# KiCad board antmicro-gmsl-deserializer-hw.kicad_pcb (continued)
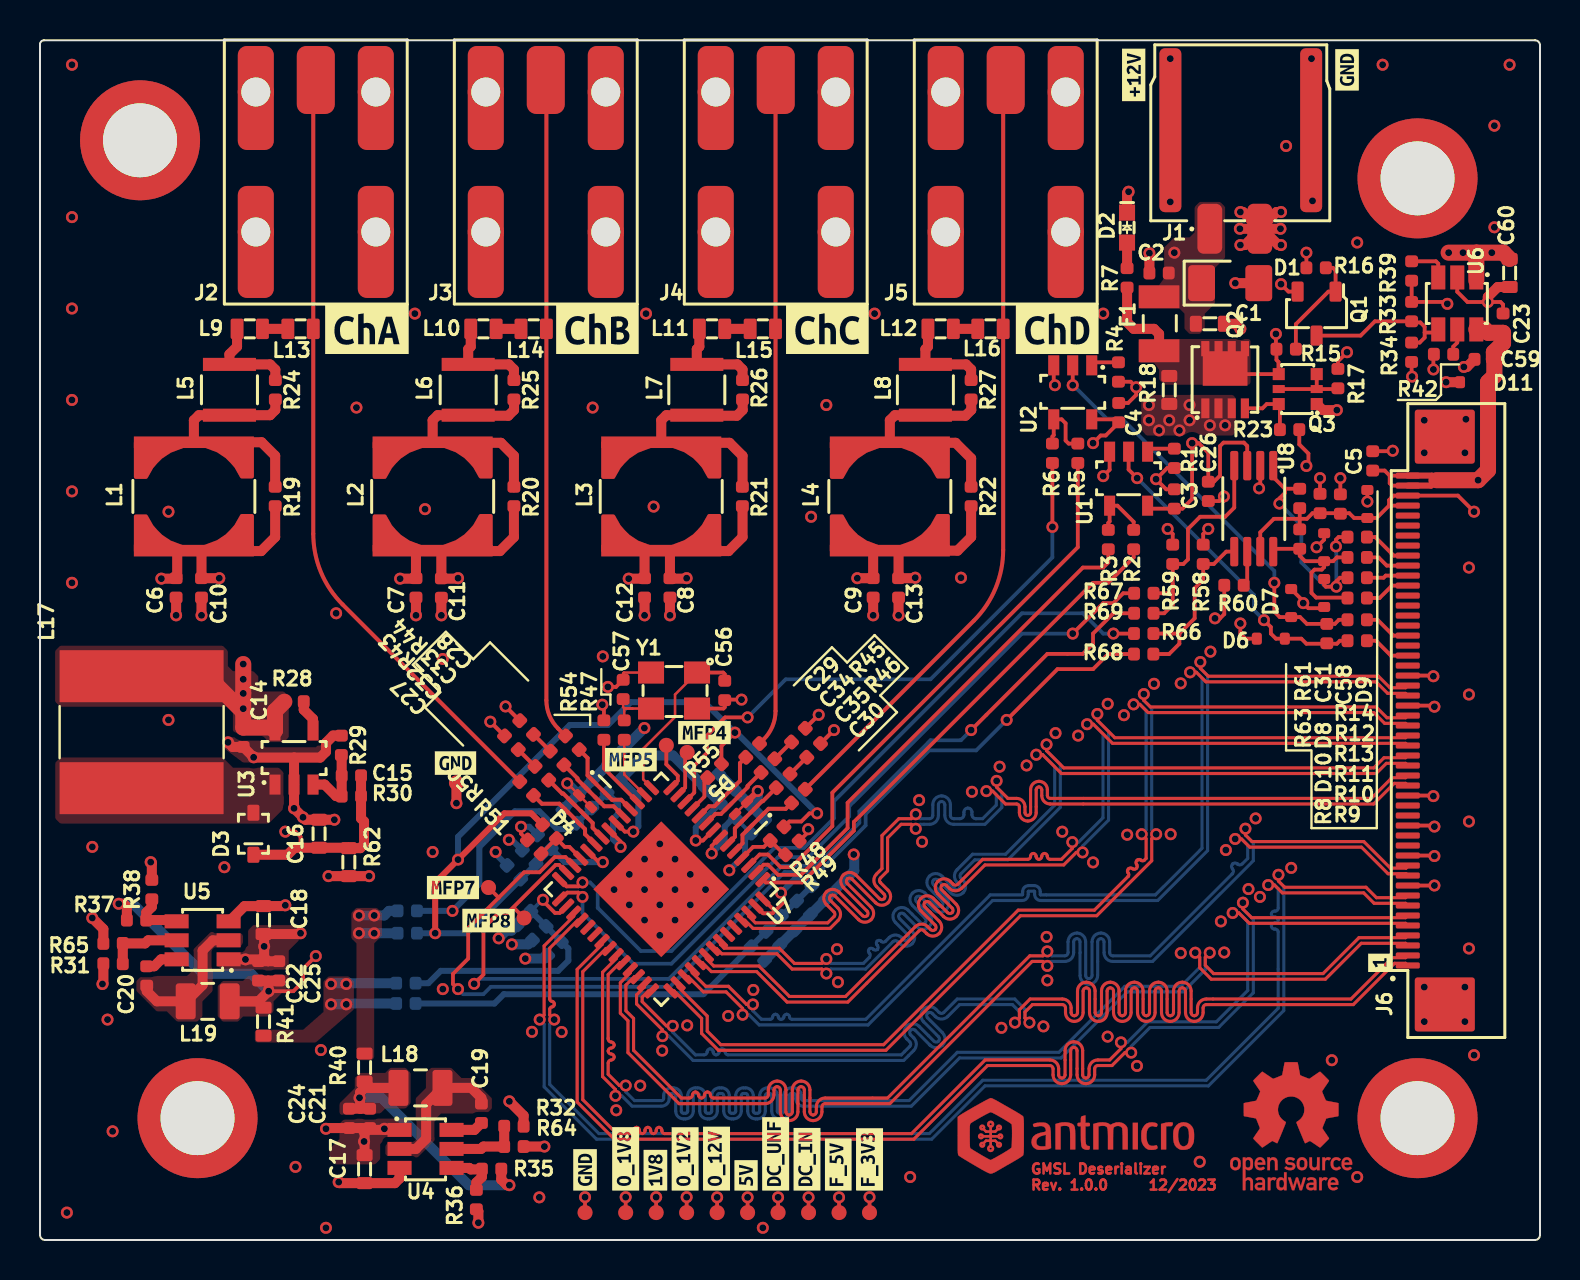
[diagram p0: board, top side]
## Library data of the parts (continued)
L12 L14-L16 = -: Author: Antmicro; IMax: 1 A; ISat: 0.99 A; License: Apache-2.0; MPN: PFL1609-471; Manufacturer: Coilcraft; Size: 1.07x1.8; Val: 470n/0.99A; Field12: Author: Antmicro; Field13: License: Apache-2.0
L17 = -: Author: Antmicro; IMax: 3.1 A; ISat: 3.4 A; License: Apache-2.0; MPN: SRN8040-100M; Manufacturer: Bourns; Size: 8.0x8.0; Val: 10u/3.1A; Field12: License: Apache-2.0; Field14: Author: Antmicro
L18 = -: Author: Antmicro; IMax: 2.6 A; ISat: 2.9 A; License: Apache-2.0; MPN: SRP2010-1R0M; Manufacturer: Bourns; Size: 2.0x1.6; Val: 1u/2.6A; Field13: Author: Antmicro; Field14: License: Apache-2.0
L19 = -: Author: Antmicro; IMax: 2.6 A; ISat: 2.9 A; License: Apache-2.0; MPN: SRP2010-1R0M; Manufacturer: Bourns; Size: 2.0x1.6; Val: 1u/2.6A; Field12: Author: Antmicro; Field14: License: Apache-2.0
N1 N2 = -: Author: Antmicro; License: Apache-2.0; Field10: Author: Antmicro; Field11: License: Apache-2.0
Q1 = -: Author: Antmicro; License: Apache-2.0; Manufacturer: ON Semiconductor; Field8: Author: Antmicro; Field9: License: Apache-2.0
Q2 = -: Author: Antmicro; License: Apache-2.0; Manufacturer: Vishay; Field8: Author: Antmicro; Field10: License: Apache-2.0
Q3 = -: Author: Antmicro; License: Apache-2.0; Manufacturer: Diodes Incorporated; Field8: License: Apache-2.0; Field10: Author: Antmicro
R1 R4 R39 R49 = -: Author: Antmicro; License: Apache-2.0; MPN: CR0402-FX-1002GLF; Manufacturer: Bourns; Tolerance: 1%; Val: 10k; Field10: License: Apache-2.0; Field11: Author: Antmicro
R2 R3 R28 R47 = -: Author: Antmicro; Current: 1A; License: Apache-2.0; MPN: ERJ2GE0R00X; Manufacturer: Panasonic; Val: 0R; Field12: Author: Antmicro; Field13: License: Apache-2.0
R5 R52 = -: Author: Antmicro; Current: 1A; License: Apache-2.0; MPN: ERJ2GE0R00X; Manufacturer: Panasonic; Val: 0R; Field11: Author: Antmicro; Field12: License: Apache-2.0
R6 R53 R57 = -: Author: Antmicro; Current: 1A; License: Apache-2.0; MPN: ERJ2GE0R00X; Manufacturer: Panasonic; Val: 0R; Field11: License: Apache-2.0; Field13: Author: Antmicro
R7 = -: Author: Antmicro; License: Apache-2.0; MPN: CR0402-FX-4700GLF; Manufacturer: Bourns; Tolerance: 1%; Val: 470R; Field11: License: Apache-2.0; Field12: Author: Antmicro
R8 = -: Author: Antmicro; DNP: DNP; License: Apache-2.0; MPN: CR0402-FX-2000GLF; Manufacturer: Bourns; Tolerance: 1%; Val: 200R; Field12: Author: Antmicro; Field13: License: Apache-2.0
R9 R12 = -: Author: Antmicro; License: Apache-2.0; MPN: CR0402-FX-1000GLF; Manufacturer: Bourns; Tolerance: 1%; Val: 100R; Field10: Author: Antmicro; Field12: License: Apache-2.0
R10 R14 R67 = -: Author: Antmicro; License: Apache-2.0; MPN: CR0402-FX-1000GLF; Manufacturer: Bourns; Tolerance: 1%; Val: 100R; Field10: License: Apache-2.0; Field12: Author: Antmicro
R11 R13 = -: Author: Antmicro; License: Apache-2.0; MPN: CR0402-FX-1000GLF; Manufacturer: Bourns; Tolerance: 1%; Val: 100R; Field11: License: Apache-2.0; Field12: Author: Antmicro
R15 = -: Author: Antmicro; License: Apache-2.0; MPN: CR0402-FX-1000GLF; Manufacturer: Bourns; Tolerance: 1%; Val: 100R; Field10: Author: Antmicro; Field11: License: Apache-2.0
R16 R36 R55 = -: Author: Antmicro; License: Apache-2.0; MPN: CR0402-FX-1002GLF; Manufacturer: Bourns; Tolerance: 1%; Val: 10k; Field10: License: Apache-2.0; Field12: Author: Antmicro
R17 R38 = -: Author: Antmicro; License: Apache-2.0; MPN: CR0402-FX-1002GLF; Manufacturer: Bourns; Tolerance: 1%; Val: 10k; Field11: Author: Antmicro; Field12: License: Apache-2.0
R18 = -: Author: Antmicro; DNP: DNP; License: Apache-2.0; MPN: PMR03EZPJ000; Manufacturer: ROHM Semiconductor; Max. Curr.: 22.4A; Tolerance: template_tolerance; Val: 0R; Field13: License: Apache-2.0; Field15: Author: Antmicro
R19 R24 = -: Author: Antmicro; License: Apache-2.0; MPN: CR0402-FX-5101GLF; Manufacturer: Bourns; Tolerance: 1%; Val: 5k1; Field10: Author: Antmicro; Field12: License: Apache-2.0
R20 R26 = -: Author: Antmicro; License: Apache-2.0; MPN: CR0402-FX-5101GLF; Manufacturer: Bourns; Tolerance: 1%; Val: 5k1; Field11: License: Apache-2.0; Field12: Author: Antmicro
R21 R22 = -: Author: Antmicro; License: Apache-2.0; MPN: CR0402-FX-5101GLF; Manufacturer: Bourns; Tolerance: 1%; Val: 5k1; Field10: License: Apache-2.0; Field12: Author: Antmicro
R23 R31 R32 R51 R64 R65 = -: Author: Antmicro; License: Apache-2.0; MPN: CR0402-FX-1002GLF; Manufacturer: Bourns; Tolerance: 1%; Val: 10k; Field10: Author: Antmicro; Field12: License: Apache-2.0
R25 R27 = -: Author: Antmicro; License: Apache-2.0; MPN: CR0402-FX-5101GLF; Manufacturer: Bourns; Tolerance: 1%; Val: 5k1; Field10: Author: Antmicro; Field11: License: Apache-2.0
R29 = -: Author: Antmicro; License: Apache-2.0; MPN: CR0402-FX-1372GLF; Manufacturer: Bourns; Tolerance: 1%; Val: 13k7; Field11: Author: Antmicro; Field12: License: Apache-2.0
R30 = -: Author: Antmicro; License: Apache-2.0; MPN: CR0402-FX-1203GLF; Manufacturer: Bourns; Tolerance: 1%; Val: 120k; Field10: License: Apache-2.0; Field11: Author: Antmicro
R33 = -: Author: Antmicro; License: Apache-2.0; MPN: CR0402-FX-1002GLF; Manufacturer: Bourns; Tolerance: 1%; Val: 10k; Field10: Author: Antmicro; Field11: License: Apache-2.0
R34 = -: Author: Antmicro; DNP: DNP; License: Apache-2.0; MPN: CR0402-FX-1002GLF; Manufacturer: Bourns; Tolerance: 1%; Val: 10k; Field12: License: Apache-2.0; Field13: Author: Antmicro
R35 = -: Author: Antmicro; License: Apache-2.0; MPN: CR0402-FX-1242GLF; Manufacturer: Bourns; Tolerance: 1%; Val: 12k4; Field10: Author: Antmicro; Field11: License: Apache-2.0
R37 = -: Author: Antmicro; License: Apache-2.0; MPN: CR0402-FX-4991GLF; Manufacturer: Bourns; Tolerance: 1%; Val: 4k99; Field10: Author: Antmicro; Field11: License: Apache-2.0
R40 = -: Author: Antmicro; License: Apache-2.0; MPN: PMR03EZPJ000; Manufacturer: ROHM Semiconductor; Max. Curr.: 22.4A; Tolerance: template_tolerance; Val: 0R; Field11: License: Apache-2.0; Field12: Author: Antmicro
R41 = -: Author: Antmicro; License: Apache-2.0; MPN: PMR03EZPJ000; Manufacturer: ROHM Semiconductor; Max. Curr.: 22.4A; Tolerance: template_tolerance; Val: 0R; Field11: License: Apache-2.0; Field13: Author: Antmicro
R42 = -: Author: Antmicro; License: Apache-2.0; MPN: CR0402-FX-6801GLF; Manufacturer: Bourns; Tolerance: 1%; Val: 6k8; Field10: License: Apache-2.0; Field11: Author: Antmicro
R43 R46 = -: Author: Antmicro; License: Apache-2.0; MPN: CR0402-FX-49R9GLF; Manufacturer: Bourns; Tolerance: 1%; Val: 49R9; Field10: Author: Antmicro; Field11: License: Apache-2.0
R44 = -: Author: Antmicro; License: Apache-2.0; MPN: CR0402-FX-49R9GLF; Manufacturer: Bourns; Tolerance: 1%; Val: 49R9; Field10: License: Apache-2.0; Field11: Author: Antmicro
R45 = -: Author: Antmicro; License: Apache-2.0; MPN: CR0402-FX-49R9GLF; Manufacturer: Bourns; Tolerance: 1%; Val: 49R9; Field11: License: Apache-2.0; Field12: Author: Antmicro
R48 = -: Author: Antmicro; DNP: DNP; License: Apache-2.0; MPN: CR0402-FX-8062GLF; Manufacturer: Bourns; Tolerance: 1%; Val: 80k6; Field12: Author: Antmicro; Field14: License: Apache-2.0
R50 = -: Author: Antmicro; DNP: DNP; License: Apache-2.0; MPN: CR0402-FX-8062GLF; Manufacturer: Bourns; Tolerance: 1%; Val: 80k6; Field12: License: Apache-2.0; Field14: Author: Antmicro
R54 = -: Author: Antmicro; License: Apache-2.0; MPN: CR0402-FX-4020GLF; Manufacturer: Vishay; Tolerance: 1%; Val: 402R; Field10: License: Apache-2.0; Field11: Author: Antmicro
R56 = -: Author: Antmicro; Current: 1A; License: Apache-2.0; MPN: ERJ2GE0R00X; Manufacturer: Panasonic; Val: 0R; Field11: License: Apache-2.0; Field12: Author: Antmicro
R58 = -: Author: Antmicro; License: Apache-2.0; MPN: CR0402-FX-2201GLF; Manufacturer: Bourns; Tolerance: 1%; Val: 2k2; Field11: License: Apache-2.0; Field12: Author: Antmicro
R59 = -: Author: Antmicro; License: Apache-2.0; MPN: CR0402-FX-2201GLF; Manufacturer: Bourns; Tolerance: 1%; Val: 2k2; Field11: Author: Antmicro; Field12: License: Apache-2.0
R60 = -: Author: Antmicro; License: Apache-2.0; MPN: CR0402-FX-1002GLF; Manufacturer: Bourns; Tolerance: 1%; Val: 10k; Field11: License: Apache-2.0; Field12: Author: Antmicro
R61 = -: Author: Antmicro; DNP: DNP; License: Apache-2.0; MPN: CR0402-FX-2201GLF; Manufacturer: Bourns; Tolerance: 1%; Val: 2k2; Field13: License: Apache-2.0; Field14: Author: Antmicro
R62 = -: Author: Antmicro; License: Apache-2.0; MPN: PMR03EZPJ000; Manufacturer: ROHM Semiconductor; Max. Curr.: 22.4A; Tolerance: template_tolerance; Val: 0R; Field11: Author: Antmicro; Field13: License: Apache-2.0
R63 = -: Author: Antmicro; DNP: DNP; License: Apache-2.0; MPN: CR0402-FX-2201GLF; Manufacturer: Bourns; Tolerance: 1%; Val: 2k2; Field12: Author: Antmicro; Field13: License: Apache-2.0
R66 = -: Author: Antmicro; License: Apache-2.0; MPN: CR0402-FX-1000GLF; Manufacturer: Bourns; Tolerance: 1%; Val: 100R; Field11: Author: Antmicro; Field12: License: Apache-2.0
R68 = -: Author: Antmicro; DNP: DNP; License: Apache-2.0; MPN: CR0402-FX-1000GLF; Manufacturer: Bourns; Tolerance: 1%; Val: 100R; Field12: License: Apache-2.0; Field14: Author: Antmicro
R69 = -: Author: Antmicro; DNP: DNP; License: Apache-2.0; MPN: CR0402-FX-1000GLF; Manufacturer: Bourns; Tolerance: 1%; Val: 100R; Field13: License: Apache-2.0; Field14: Author: Antmicro
TP1 TP2 TP6 TP10 TP12 = -: Author: Antmicro; License: Apache-2.0; Field8: Author: Antmicro; Field10: License: Apache-2.0
TP3 TP7 TP15 = -: Author: Antmicro; License: Apache-2.0; Field8: License: Apache-2.0; Field9: Author: Antmicro
TP4 TP9 TP13 = -: Author: Antmicro; License: Apache-2.0; Field9: Author: Antmicro; Field10: License: Apache-2.0
TP5 = -: Author: Antmicro; License: Apache-2.0; Field8: Author: Antmicro; Field9: License: Apache-2.0
TP8 TP11 TP14 = -: Author: Antmicro; License: Apache-2.0; Field9: License: Apache-2.0; Field10: Author: Antmicro
U1 = -: Author: Antmicro; License: Apache-2.0; Manufacturer: Texas Instruments; Field8: License: Apache-2.0; Field10: Author: Antmicro
U2 = -: Author: Antmicro; License: Apache-2.0; Manufacturer: Texas Instruments; Field8: Author: Antmicro; Field10: License: Apache-2.0
U3 = -: Author: Antmicro; License: Apache-2.0; MPN: LMR62014XMF/NOPB; Manufacturer: Texas Instruments; Field8: License: Apache-2.0; Field9: Author: Antmicro
U4 = -: Author: Antmicro; License: Apache-2.0; MPN: AP62301WU-7; Manufacturer: Diodes Incorporated; Field8: License: Apache-2.0; Field9: Author: Antmicro
U5 = -: Author: Antmicro; License: Apache-2.0; MPN: AP62301WU-7; Manufacturer: Diodes Incorporated; Field9: License: Apache-2.0; Field10: Author: Antmicro
U6 = -: Author: Antmicro; License: Apache-2.0; MPN: AP22615AWU-7; Manufacturer: Diodes Incorporated; Field9: Author: Antmicro; Field10: License: Apache-2.0
U7 = -: Author: Antmicro; License: Apache-2.0; MPN: MAX96724GTN/VY+; Manufacturer: Analog Devices; Field8: Author: Antmicro; Field9: License: Apache-2.0
U8 = -: Author: Antmicro; License: Apache-2.0; MPN: NTS0102DP; Manufacturer: NXP; Field9: Author: Antmicro; Field10: License: Apache-2.0
Y1 = -: Author: Antmicro; License: Apache-2.0; MPN: ABM8G-25.000MHZ-18-D2Y-T3; Manufacturer: Abracon; Val: 25 MHz; Field9: License: Apache-2.0; Field11: Author: Antmicro

## Footprints (pads in the part's own frame, mm; a bottom-side part is the same pattern mirrored in y, then rotated)
C_0402_1005Metric
  rrect 0.59x0.64 smd: 1(-0.484,0) 2(0.484,0)
C_0603_1608Metric
  rrect 0.6x0.8 smd: 1(-0.7,0) 2(0.7,0)
Conn_FAKRA_59S2AQ-40MT5-Z_1
  rrect 1.9x3.4 smd: 1(0,0)
  round 1.8 hole 1.45: 2(-3,-0.6) 3(-3,-7.6) 4(3,-7.6) 5(3,-0.6)
  rrect 1.8x5.2 smd: 2(-3,-0.6) 5(3,-0.6)
  rrect 1.8x5.6 smd: 3(-3,-7.6) 4(3,-7.6)
Conn_FFC_WE_68715014x22
  rrect 0.3x1.2 smd: 1(-12.25,2.15) 2(-11.75,2.15) 3(-11.25,2.15) 4(-10.75,2.15) 5(-10.25,2.15) 6(-9.75,2.15) 7(-9.25,2.15) 8(-8.75,2.15) 9(-8.25,2.15) 10(-7.75,2.15) 11(-7.25,2.15) 12(-6.75,2.15) 13(-6.25,2.15) 14(-5.75,2.15) 15(-5.25,2.15) 16(-4.75,2.15) 17(-4.25,2.15) 18(-3.75,2.15) 19(-3.25,2.15) 20(-2.75,2.15) 21(-2.25,2.15) 22(-1.75,2.15) 23(-1.25,2.15) 24(-0.75,2.15) 25(-0.25,2.15) 26(0.248,2.15) 27(0.748,2.15) 28(1.249,2.15) 29(1.749,2.15) 30(2.249,2.15) 31(2.749,2.15) 32(3.249,2.15) 33(3.749,2.15) 34(4.248,2.15) 35(4.748,2.15) 36(5.248,2.15) 37(5.749,2.15) 38(6.249,2.15) 39(6.749,2.15) 40(7.249,2.15) 41(7.749,2.15) 42(8.249,2.15) 43(8.749,2.15) 44(9.249,2.15) 45(9.749,2.15) 46(10.249,2.15) 47(10.749,2.15) 48(11.249,2.15) 49(11.749,2.15) 50(12.249,2.15)
  rrect 2.7x3 smd: MP1(-14.198,0.3) MP2(14.198,0.3)
Conn_Molex_Nano-Fit_1x2_SMD_1054301202
  rrect 1.24x2.5 smd: 1(1.528,4.901) 2(-0.97,4.901)
  rrect 1.1x8.2 smd: MP(-3.54,-0.029) MP(3.499,-0.029)
D_SOD-323F
  rrect 0.8x0.6 smd: A(1.05,-0.001) K(-1.051,-0.001)
DFN-10_2.5x1mm
  rrect 0.6x0.2 smd: 1(-0.425,1) 2(-0.425,0.5) 4(-0.425,-0.5) 5(-0.425,-1) 6(0.425,-1) 7(0.425,-0.5) 9(0.425,0.5) 10(0.425,1)
  rrect 0.6x0.4 smd: 3(-0.425,0) 8(0.425,0)
F_1206_3216Metric
  rect 1.143x2.032 smd: 1(-1.35,0) 2(1.35,0)
L_0806_2016Metric
  rrect 1x1.8 smd: 1(-1.1,0.001) 2(1.1,0.001)
L_Bourns-SRN8040
  rect 2.6x8.2 smd: 1(-2.8,0) 2(2.8,0)
L_Coilcraft-1210POC
  rect 0.65x2.65 smd: 1(-1.27,0) 2(1.27,0)
L_Coilcraft-MSS6132T
  rect 0.575x6 smd: 1(-2.71,0) 2(2.71,0)
L_Coilcraft-PFL1609
  rrect 0.64x1.02 smd: 1(-0.635,0) 2(0.635,0)
LED_0603_1608Metric_G
  rect 0.8x0.8 smd: 1(-0.751,0.001) 2(0.749,0.001)
Oscillator_SMD_Geyer_KX-7-4Pin_3.2x2.5mm
  rrect 1.3x1.1 smd: 1(-1.101,-0.949)
  rect 1.3x1.1 smd: 2(1.199,-0.949) 3(1.199,0.85) 4(-1.101,0.85)
QFN-56-1EP_8x8mm_P0.5mm_EP4.8x4.8mm
  rrect 0.8x0.8 smd: (-1.8,1.8) (-1.8,0.6) (-1.8,-0.6) (-1.8,-1.8) (-0.6,1.8) (-0.6,0.6) (-0.6,-0.6) (-0.6,-1.8) (0.6,1.8) (0.6,0.6) (0.6,-0.6) (0.6,-1.8) (1.8,1.8) (1.8,0.6) (1.8,-0.6) (1.8,-1.8)
  rrect 0.875x0.3 smd: 1(-3.938,3.25) 2(-3.938,2.75) 3(-3.938,2.25) 4(-3.938,1.75) 5(-3.938,1.25) 6(-3.938,0.75) 7(-3.938,0.25) 8(-3.938,-0.249) 9(-3.938,-0.749) 10(-3.938,-1.249) 11(-3.938,-1.749) 12(-3.938,-2.249) 13(-3.938,-2.749) 14(-3.938,-3.249) 29(3.937,-3.249) 30(3.937,-2.749) 31(3.937,-2.249) 32(3.937,-1.749) 33(3.937,-1.249) 34(3.937,-0.749) 35(3.937,-0.249) 36(3.937,0.25) 37(3.937,0.75) 38(3.937,1.25) 39(3.937,1.75) 40(3.937,2.25) 41(3.937,2.75) 42(3.937,3.25)
  rrect 0.3x0.875 smd: 15(-3.25,-3.937) 16(-2.75,-3.937) 17(-2.25,-3.937) 18(-1.75,-3.937) 19(-1.25,-3.937) 20(-0.75,-3.937) 21(-0.25,-3.937) 22(0.249,-3.937) 23(0.749,-3.937) 24(1.249,-3.937) 25(1.749,-3.937) 26(2.249,-3.937) 27(2.749,-3.937) 28(3.249,-3.937) 43(3.249,3.938) 44(2.749,3.938) 45(2.249,3.938) 46(1.749,3.938) 47(1.249,3.938) 48(0.749,3.938) 49(0.249,3.938) 50(-0.25,3.938) 51(-0.75,3.938) 52(-1.25,3.938) 53(-1.75,3.938) 54(-2.25,3.938) 55(-2.75,3.938) 56(-3.25,3.938)
  rect 4.8x4.8 smd: 57(0,0)
R_0402_1005Metric
  rrect 0.59x0.64 smd: 1(-0.485,0) 2(0.485,0)
R_0603_1608Metric
  rrect 0.6x0.8 smd: 1(-0.7,0) 2(0.7,0)
SOD-123FL
  rrect 1.34x1.8 smd: 1(-1.43,0) 2(1.429,0)
SOD-523_NP
  rrect 0.5x0.6 smd: 1(-0.701,0) 2(0.699,0)
SOT-23-3
  rrect 1x0.6 smd: 1(-1.1,0.951) 2(-1.1,-0.949) 3(1.1,0.001)
SOT-23-5
  rect 1x0.55 smd: 1(-1.351,0.951) 2(-1.351,0) 3(-1.351,-0.949) 4(1.35,-0.949) 5(1.35,0.951)
SOT-363
  custom 0.6x0.6 smd: 1(-0.948,0.752) 3(-0.948,-0.745) 4(0.951,-0.745) 6(0.951,0.752)
  rect 0.6x0.4 smd: 2(-0.948,0.002) 5(0.951,0.002)
Spacer_Drill3.7mm_H6mm_9774060151R
  round 6 hole 3.7: 1(-0.001,0)
TP_SMD_0.75mm
  round 0.75 smd: 1(0,0)
TSOT23-6
  rect 1.2x0.7 smd: 1(-1.301,0.947) 2(-1.301,-0.004) 3(-1.301,-0.954) 4(1.299,-0.954) 5(1.299,-0.004) 6(1.299,0.947)
TSSOP-8_3x3mm_P0.65mm
  rrect 1.47x0.4 smd: 1(-2.148,0.962) 2(-2.148,0.313) 3(-2.148,-0.338) 4(-2.148,-0.987) 5(2.151,-0.987) 6(2.151,-0.338) 7(2.151,0.313) 8(2.151,0.962)
Vishay_PowerPAK_1212-8_Single
  rect 0.99x0.405 smd: 1(-1.436,0.99) 2(-1.436,0.332) 3(-1.436,-0.33) 4(-1.436,-0.988)
  custom 2.235x2.39 smd: 5(0.557,0)

## Nets
+1V2: R41.2 R53.2 R57.2
+1V8: C3.2 C4.2 C26.2 R33.2 R39.2 R40.2 R52.2 R56.2 R58.2 R59.2 R60.2 U1.5 U2.5 U8.3
+5V: C14.2 C60.2 L17.1 R28.2 TP11.1 U3.5 U6.1
+12V: C6.2 C7.2 C8.2 C9.2 C10.2 C11.2 C12.2 C13.2 C17.2 C18.2 L1.1 L2.1 L3.1 L4.1 Q2.1 Q2.2 Q2.3 Q3.1 R18.2 R19.1 R20.1 R21.1 R22.1 R31.2 R32.2 R62.2 TP10.1 U4.3 U5.3
/Deserializer/VDD: C37.2 C40.2 C43.2 C46.2 C49.2 R53.1 U7.55 U7.56
/Deserializer/VDD_1.8V: C36.2 C39.2 C42.2 C45.2 C48.2 R52.1 U7.7 U7.21
/Deserializer/VDDIO: C50.2 C52.2 C54.2 R48.2 R50.2 R55.2 R56.1 U7.24
GND: C1.1 C2.1 C3.1 C4.1 C5.1 C6.1 C7.1 C8.1 C9.1 C10.1 C11.1 C12.1 C13.1 C14.1 C16.1 C17.1 C18.1 C21.1 C22.1 C23.1 C24.1 C25.1 C26.1 C31.1 C36.1 C37.1 C38.1 C39.1 C40.1 C41.1 C42.1 C43.1 C44.1 C45.1 C46.1 C47.1 C48.1 C49.1 C50.1 C51.1 C52.1 C53.1 C54.1 C55.1 C56.1 C57.1 C58.1 C59.1 C60.1 D1.2 D2.2 D4.3 D4.8 D5.3 D5.8 D6.1 D7.1 D8.1 D9.1 D10.1 D11.1 H1.1 H2.1 H3.1 H4.1 J1.2 J1.MP J2.2 J2.3 J2.4 J2.5 J3.2 J3.3 J3.4 J3.5 J4.2 J4.3 J4.4 J4.5 J5.2 J5.3 J5.4 J5.5 J6.9 J6.12 J6.15 J6.18 J6.27 J6.30 J6.MP1 J6.MP2 Q1.2 R1.1 R4.1 R16.1 R17.1 R23.1 R29.1 R34.1 R36.1 R38.1 R42.1 R43.2 R44.2 R45.2 R46.2 R49.1 R51.1 R54.1 R64.1 R65.1 TP5.1 TP15.1 U1.3 U2.3 U3.2 U4.1 U5.1 U6.2 U7.57 U8.2 Y1.2 Y1.4
/Connectors/CSI0.CLK_N: J6.10 U7.40
/Connectors/CSI0.CLK_P: J6.11 U7.39
/Connectors/CSI0.D0_N: J6.7 U7.32
/Connectors/CSI0.D0_P: J6.8 U7.31
/Connectors/CSI0.D1_N: J6.5 U7.36
/Connectors/CSI0.D1_P: J6.6 U7.35
/Connectors/CSI0.D2_N: J6.3 U7.38
/Connectors/CSI0.D2_P: J6.4 U7.37
/Connectors/CSI0.D3_N: J6.1 U7.42
/Connectors/CSI0.D3_P: J6.2 U7.41
/Connectors/CSI1.CLK_N: J6.28 U7.46
/Connectors/CSI1.CLK_P: J6.29 U7.45
/Connectors/CSI1.D0_N: J6.25 U7.44
/Connectors/CSI1.D0_P: J6.26 U7.43
/Connectors/CSI1.D1_N: J6.23 U7.48
/Connectors/CSI1.D1_P: J6.24 U7.47
/Connectors/CSI1.D2_N: J6.21 U7.50
/Connectors/CSI1.D2_P: J6.22 U7.49
/Connectors/CSI1.D3_N: J6.19 U7.54
/Connectors/CSI1.D3_P: J6.20 U7.53
/Connectors/DC_IN: F1.2 Q2.5 Q3.4 R7.2 R15.2 R18.1 TP9.1
/Connectors/DC_UNFUSED: C1.2 C2.2 D1.1 F1.1 J1.1 TP6.1
/Connectors/FFC_3V3: C31.2 C58.2 D9.2 J6.47 J6.48 R61.2 R63.2 TP8.1 U8.7
/Connectors/FFC_5V: C5.2 C23.2 C59.2 D11.2 J6.49 J6.50 TP7.1 U6.6
/Connectors/MFP0: R2.1 U7.1
/Connectors/MFP1: R3.1 U7.2
/Connectors/MFP2: R5.1 U7.3
/Connectors/MFP3: R6.1 U7.12
/Connectors/MFP4: TP1.1 U7.13
/Connectors/MFP5: TP2.1 U7.14
/Connectors/MFP7: R68.1 TP3.1 U7.26
/Connectors/MFP8: R69.1 TP4.1 U7.27
/Connectors/PoCA: C27.2 J2.1 L13.2
/Connectors/PoCB: C28.2 J3.1 L14.2
/Connectors/PoCC: C29.2 J4.1 L15.2
/Connectors/PoCD: C30.2 J5.1 L16.2
/Connectors/SCL: R67.1 U7.29
/Connectors/SCL_CAM: D10.2 R13.1 R14.1 R61.1 U8.1
/Connectors/SCL_CAM0: J6.40 R13.2
/Connectors/SCL_CAM1: J6.42 R14.2
/Connectors/SDA: R66.1 U7.28
/Connectors/SDA_CAM: D8.2 R11.1 R12.1 R63.1 U8.8
/Connectors/SDA_CAM0: J6.39 R11.2
/Connectors/SDA_CAM1: J6.41 R12.2
/Connectors/VSYNC_CAM0: D6.2 R8.2 R9.1 U1.2
/Connectors/VSYNC_CAM1: D7.2 R8.1 R10.1 U2.2
/Deserializer/CAP_VDD: C38.2 C41.2 C44.2 C47.2 U7.8 U7.20
/Deserializer/CFG0: R48.1 R49.2 U7.4
/Deserializer/CFG1: R50.1 R51.2 U7.25
/Deserializer/PWDNB: R55.1 U7.11
/Deserializer/SIOA_N: C32.1 D4.4 D4.7 U7.22
/Deserializer/SIOA_P: C27.1 D4.5 D4.6 U7.23
/Deserializer/SIOB_N: C33.1 D4.2 D4.9 U7.19
/Deserializer/SIOB_P: C28.1 D4.1 D4.10 U7.18
/Deserializer/SIOC_N: C34.1 D5.4 D5.7 U7.9
/Deserializer/SIOC_P: C29.1 D5.5 D5.6 U7.10
/Deserializer/SIOD_N: C35.1 D5.2 D5.9 U7.6
/Deserializer/SIOD_P: C30.1 D5.1 D5.10 U7.5
/Deserializer/VTERM: C51.2 C53.2 C55.2 R57.1 U7.30
/Deserializer/X1: C56.2 U7.15 Y1.1
/Deserializer/X2: R47.2 U7.16
/Deserializer/X2_R: C57.2 R47.1 Y1.3
/Deserializer/XRES: R54.2 U7.17
/Power/EN_1V2: R31.1 R65.2 U5.5
/Power/EN_1V8: R32.1 R64.2 U4.5
/Power/EN_12V: R28.1 U3.4
/Power/FB_1V2: R37.1 R38.2 U5.4
/Power/FB_1V8: R35.1 R36.2 U4.4
/Power/FB_12V: C15.1 R29.2 R30.1 U3.3
/Power/FFC_5V_EN: Q1.3 R33.1 R34.2 U6.4
/Power/FFC_5V_FLG: R39.1 U6.3
/Power/FFC_5V_ISET: R42.2 U6.5
/Power/OUT_1V2: C22.2 C25.2 L19.2 R37.2 R41.1 TP14.1
/Power/OUT_1V8: C21.2 C24.2 L18.2 R35.2 R40.1 TP13.1
/Power/OUT_12V: C15.2 C16.2 D3.K R30.2 R62.1 TP12.1
/Power/SW_1V2: C20.2 L19.1 U5.2
/Power/SW_1V8: C19.2 L18.1 U4.2
/Power/SW_12V: D3.A L17.2 U3.1
Net-(C19-Pad1): C19.1 U4.6
Net-(C20-Pad1): C20.1 U5.6
Net-(C32-Pad2): C32.2 R43.1
Net-(C33-Pad2): C33.2 R44.1
Net-(C34-Pad2): C34.2 R45.1
Net-(C35-Pad2): C35.2 R46.1
Net-(D2-Pad1): D2.1 R7.1
Net-(J6-Pad32): J6.32 R9.2
Net-(J6-Pad34): J6.34 R10.2
Net-(L1-Pad2): L1.2 L5.1 R19.2 R24.1
Net-(L2-Pad2): L2.2 L6.1 R20.2 R25.1
Net-(L3-Pad2): L3.2 L7.1 R21.2 R26.1
Net-(L4-Pad2): L4.2 L8.1 R22.2 R27.1
Net-(L5-Pad2): L5.2 L9.1 R24.2
Net-(L10-Pad1): L6.2 L10.1 R25.2
Net-(L10-Pad2): L10.2 L14.1
Net-(L11-Pad1): L7.2 L11.1 R26.2
Net-(L11-Pad2): L11.2 L15.1
Net-(L12-Pad1): L8.2 L12.1 R27.2
Net-(L12-Pad2): L12.2 L16.1
Net-(L13-Pad1): L9.2 L13.1
Net-(Q1-Pad1): Q1.1 R15.1 R16.2
Net-(Q2-Pad4): Q2.4 Q3.6 R23.2
Net-(Q3-Pad2): Q3.2 Q3.3 Q3.5 R17.2
Net-(R1-Pad2): R1.2 U1.1
Net-(R2-Pad2): R2.2 R3.2 U1.4
Net-(R4-Pad2): R4.2 U2.1
Net-(R5-Pad2): R5.2 R6.2 U2.4
Net-(R58-Pad1): R58.1 R66.2 R68.2 U8.5
Net-(R59-Pad1): R59.1 R67.2 R69.2 U8.4
Net-(R60-Pad1): R60.1 U8.6

Pads without a net: J6 13 14 16 17 31 33 35 36 37 38 43 44 45 46; U7 33 34 51 52

## Via types
v1: diameter 0.6, hole 0.35, Top to Bottom, 333 vias

## Routing (per net, layer and track width the routed paths; a pad name or vN(x,y) marks a point on that pad's centre or on a via; arc(x,y) is an arc through that point)
+1V2: length 6.6
  Bottom w0.5: R53.2 15.36,11.83 v1(15.31,11.79) v1(14.55,11.79) ; R57.2 14.59,12.84 v1(14.55,12.8)
  vias: v1(15.31,12.8)
+1V8: length 117.3
  Top w0.187: U2.5 53.79,41.04 C4.2 53.94,40.88 53.29,40.23 53.03,40.23 v1(52.65,39.85) ; R58.2 58.16,35.31 v1(58.41,35.56) ; R39.2 68.58,46.92 R33.2 70.27,46.91 v1(70.37,46.82) ; v1(56.38,35.56) 56.64,35.31 R59.2 ; U8.3 60.36,39.71 60.19,39.88 59.18,39.88 59,39.71 59,38.23 58.7,37.92 C26.2 58.41,39.37 57.93,39.85 v1(57.61,39.85) 57.61,37.06 57.12,36.58 C3.2 55.53,36.58 55.38,36.73 ; v1(58.75,31.09) 59,31.09 59.21,31.3 R60.2
  In2.Cu w0.187: 57.61,36.53 58.13,36.53 58.41,36.25 v1(58.41,35.56) ; 57.61,36.53 57.61,34.75 58.75,33.6 v1(58.75,31.09) ; 57.61,36.53 56.7,36.53 56.38,36.22 v1(56.38,35.56)
  In2.Cu w0.3: 57.61,36.53 v1(57.61,39.85)
  In2.Cu w0.5: v1(15.95,15.34) 16.71,16.1 v1(16.71,16.23) 17.35,16.23 18.49,17.37 18.49,29.44 19.12,30.07 45.41,30.07 49.02,33.68 49.02,37.36 51.51,39.85 v1(52.65,39.85) 52.78,39.73 57.48,39.73 v1(57.61,39.85) 65.86,39.85 66.62,40.62 66.62,43.03 70.37,46.77 v1(70.37,46.82)
  Bottom w0.5: v1(15.95,16.23) v1(16.71,16.23) 17.22,16.23 17.45,16.46 R52.2 ; v1(15.95,15.34) v1(16.71,15.34) R56.2
+5V: length 173.4
  Top w0.187: v1(35.38,2.13) TP11.1
  Top w0.8: 12.22,26.92 11.75,26.46 U3.5 11.6,25.63 C14.2 10.16,26.41 ; v1(10.16,28.8) v1(10.16,27.34) v1(10.16,26.57) 10.16,26.41 ; 10.16,26.41 8.38,28.2 L17.1 ; 71.82,47.98 71.82,49.36 71.83,49.38 ; 71.83,49.38 v1(70.43,49.38) ; 71.83,49.38 73.16,49.38 C60.2
  In2.Cu w0.187: v1(10.16,28.04) 10.01,28.04 1.34,19.37 1.34,4.93 4.64,1.64 23.19,1.64 24.22,0.61 33.86,0.61 v1(35.38,2.13)
  In2.Cu w0.8: 72.97,49.38 v1(70.43,49.38) 68.65,49.38 62.85,43.57 49.13,43.57 45.92,40.36 4.27,40.36 3.25,39.35 3.25,31.47 4.52,30.2 9.58,30.2 10.16,29.62 v1(10.16,26.57)
  vias: v1(71.15,49.38) v1(71.87,49.38) v1(72.59,49.38)
+12V: length 77.9
  Top w0.187: v1(30.81,2.14) TP10.1
  Top w0.5: v1(8.96,33.1) C10.2 8.08,34.45 ; 42.13,34.48 L4.1 45.88,34.48 46.56,35.15 R22.1 ; 23.7,36.68 23.7,35.15 23,34.45 19.27,34.45 ; v1(3.12,12.8) 3.17,12.85 R31.2 ; v1(29.44,33.08) 30.23,33.08 30.23,34.45 ; v1(12.27,16.74) 12.23,16.7 C18.2 ; v1(23.47,6.93) 24.18,6.22 24.18,5.69 ; v1(43.76,33.12) 43.74,33.1 C13.2 42.93,34.45 ; U4.3 17.98,3.08 17.74,2.84 C17.2 14.98,2.84 v1(14.93,2.9) ; v1(40.86,33.1) C9.2 41.66,34.45 ; v1(20.9,33.1) 20.88,33.08 20.07,33.08 20.07,34.45 ; 11.21,16.7 10.22,16.7 9.46,15.93 ; 6.86,34.45 6.86,33.08 v1(6.07,33.08) ; v1(64.84,41.5) 64.14,41.5 Q3.1 ; v1(14.42,18.2) v1(16.46,18.2) ; 11.76,36.68 11.76,35.15 11.06,34.45 7.33,34.45 ; 31.5,34.45 31.5,33.08 32.31,33.08 v1(32.33,33.1) ; 18.8,34.45 18.8,33.08 v1(18.01,33.08) ; 30.7,34.45 34.42,34.45 35.13,35.15 35.13,36.68
  In2.Cu w0.187: v1(30.81,2.14) 30.8,2.14 29.54,3.4 24.2,3.4 23.47,4.14 v1(23.47,6.93)
  In2.Cu w0.5: v1(3.12,12.8) 3.12,13.31 4.9,15.09 9.98,15.09 11.63,16.74 v1(12.27,16.74)
  vias: v1(55.45,41.76) v1(55.45,41) v1(55.95,40.49) v1(56.46,41) v1(56.97,40.49) v1(57.48,41.76) v1(57.48,41) v1(58.49,40.74) v1(59.26,40.74)
/Deserializer/VDD: length 27.4
  Top w0.187: 36.78,16.48 37.16,16.87 37.16,17.25 v1(37.05,17.36) ; 36.78,16.48 36.71,16.48 U7.56 ; 36.78,16.48 36.63,16.34 36.15,16.34 U7.55
  Bottom w0.3: v1(37.05,17.36) 37.72,18.03 38.28,18.03 C49.2 33.17,12.29 23.19,12.29 22.72,11.83 R53.1
/Deserializer/VDD_1.8V: length 45.7
  Top w0.187: v1(33.58,19.33) 33.58,19.71 U7.7 ; v1(29.03,19.66) 29.03,19.93 U7.21
  In2.Cu w0.3: v1(34.46,18.49) 35.3,19.33 35.3,19.81 31.49,23.62 30.47,23.62 23.31,16.46 v1(20.62,16.46)
  Bottom w0.187: C48.2 35.53,20.35 C45.2
  Bottom w0.3: C45.2 34.66,21.1 34.24,20.68 34.24,19.99 v1(33.58,19.33) ; R52.1 v1(20.62,16.46) 21.97,17.81 21.97,19.66 23.75,21.44 24.97,21.44 25.86,20.55 26.54,20.55 C42.2 C36.2 28.9,21.82 28.9,21.31 28.65,21.06 28.65,20.04 v1(29.03,19.66) ; v1(34.46,18.49) 35.25,19.28 35.25,20.05 C48.2
/Deserializer/VDDIO: length 49.8
  Top w0.187: R48.2 37.46,20.93 38.06,20.93 38.47,21.34 v1(38.86,21.34) ; v1(34.75,25.38) 34.07,24.7 R55.2 ; v1(28.14,18.9) 27.94,18.9 U7.24
  Top w0.3: R50.2 24.56,21.34 23.22,21.34 v1(20.9,19.03) 19.76,17.88 v1(19.76,15.34)
  Bottom w0.3: R56.1 v1(19.76,15.34) 21.33,15.34 C54.2 26.24,18.9 v1(28.14,18.9) ; v1(20.9,19.03) 20.9,20.17 26.49,25.76 28.39,25.76 29.54,26.9 33.22,26.9 v1(34.75,25.38) 34.82,25.38 v1(38.86,21.34)
GND: length 124.1
  Top w0.125: Y1.2 29.2,28.38 29.16,28.34 C57.1 ; v1(26.36,22.84) D4.8 ; D5.3 D5.8
  Top w0.187: Y1.4 34.17,26.58 34.24,26.65 C56.1 34.26,27.03 v1(35.08,27.03) ; C58.1 v1(65.02,38.1) ; v1(63.32,38.71) 63.42,38.81 63.42,39.33 62.97,39.79 R23.1 ; v1(66.37,36.93) D9.1 ; v1(69.72,26.67) 69.66,26.73 J6.27 ; v1(69.67,22.2) 69.64,22.23 J6.18 ; v1(60.02,30.84) 60.02,30.33 60.27,30.07 60.84,30.07 ; v1(24.05,20.67) 24.05,20.32 R51.1 ; v1(65.35,44.4) 64.89,43.94 R17.1 ; D10.1 64.15,31.6 63.42,31.6 v1(63.16,31.85) 63.16,31.95 62.56,32.55 ; v1(68.6,43.18) 68.58,43.2 R34.1 ; v1(28.12,26.77) 28.2,26.69 R54.1 ; U2.3 50.69,42.81 v1(50.75,42.75) ; Q1.2 62.42,47.43 v1(62.05,47.8) ; C57.1 28.8,27.66 v1(28.39,27.66) ; v1(63.32,49.38) R16.1 ; C5.1 67.61,39.45 v1(67.64,39.47) ; v1(60.95,37.59) 61.01,37.65 U8.2 ; C4.1 54.41,41.86 54.81,42.27 v1(54.81,42.65) 54.53,42.92 R4.1 ; R49.1 38.41,20.4 v1(38.41,20.54) ; U1.3 53.48,38.52 v1(53.16,38.2) ; 70.86,47.98 70.86,47.42 71.38,46.91 73.03,46.91 73.15,46.78 C23.1 ; C31.1 v1(64,38.1) ; J6.9 v1(69.72,17.73) ; v1(69.67,43.54) 69.67,44.3 ; D8.1 64.21,35.03 v1(63.83,34.65) ; v1(69.72,20.68) 69.67,20.73 J6.15 ; C26.1 58.97,36.96 v1(59.2,37.19) ; J6.12 69.69,19.23 v1(69.72,19.2) ; J6.30 69.64,28.23 v1(69.67,28.19) ; R1.1 56.36,38.61 v1(55.8,38.05) 56.31,37.54 C3.1 ; v1(27.25,2.14) TP15.1
  Top w0.2: R43.2 v1(22.51,25.92) ; R46.2 v1(39.7,25.5) ; R45.2 v1(38.94,26.26) ; R44.2 v1(23.28,26.68)
  Top w0.3: D5.3 35.35,21.92 v1(35.89,22.45)
  Top w0.5: 11.21,15.3 v1(11.21,14.68) 11.21,14.19 ; 9.46,14.03 11.05,14.03 11.21,14.19 ; 11.97,13.94 11.4,13.94 ; 11.4,13.94 10.95,13.94 ; 11.4,13.94 11.21,14.14 11.21,14.19 ; D1.2 v1(59.76,47.85) ; v1(55.47,49.35) C2.1 ; 16.23,5.35 16.23,5.4 16.03,5.6 ; 16.23,5.35 16.39,5.51 U4.1 ; 16.23,5.35 C17.1 ; 12.7,24.13 14.01,24.13 14.3,24.42 14.3,24.87 14.66,25.23 14.92,25.23 ; 12.7,24.13 10.69,24.13 v1(10.68,24.14) C14.1 9.63,24.66 v1(9.4,24.89) ; 12.7,24.13 U3.2 v1(12.7,21.59) v1(13.15,21.14) 13.27,21.02 v1(14.72,21.02) ; J1.2 60.15,51.41 v1(60.02,51.41) ; J1.2 v1(59.99,50.57) ; J1.2 v1(62.02,50.57) ; J1.2 61.83,51.41 v1(62.05,51.41) ; v1(60.02,45.57) 59.76,45.82 C1.1 ; 16.03,5.6 C21.1 ; 16.03,5.6 C24.1 14.33,5.6 v1(14.3,5.56) ; D11.1 v1(70.3,42.9) ; v1(31.5,31.24) C8.1 ; v1(42.93,31.24) C13.1 ; C18.1 12.99,15.3 v1(13.03,15.34) ; C11.1 v1(20.07,31.24) ; v1(8.08,31.24) C10.1 ; v1(41.66,31.24) C9.1 ; C60.1 72.89,47.66 72.39,47.16 v1(72.39,46.91) ; v1(60.02,49.76) 60.24,49.76 61.08,50.6 61.92,49.76 v1(62.05,49.76) ; C7.1 v1(18.8,31.24) ; v1(71.19,43.66) 71.35,43.66 C59.1 ; R38.1 5.59,18.84 v1(5.54,18.9) ; D2.2 54.35,52.35 v1(54.43,52.43) ; v1(2.61,16.1) 3.17,15.55 R65.1 ; v1(30.23,31.24) C12.1 ; v1(21.92,0.86) 21.92,1.43 R36.1 ; TP5.1 v1(20.82,21.85) ; v1(6.81,31.24) C6.1 ; v1(25.22,4.67) 24.18,4.67
  Bottom w0.3: v1(24.05,20.67) 24.47,20.67 C54.1 ; C50.1 22.78,19.3 v1(22.78,19.41) ; v1(23.44,20.02) 23.59,20.02 C52.1
  Bottom w0.5: v1(40.69,19.28) 40.71,19.25 40.71,18.47 C49.1 C37.1 ; C51.1 23.57,15.47 23.32,15.47 v1(22.93,15.09) ; C55.1 25.22,14.07 v1(24.27,14.07) ; v1(35.89,22.45) 35.89,22.2 C45.1 ; v1(26.36,22.84) C39.1 ; C42.1 C41.1 29.2,24.58 v1(30.22,25.61) ; C48.1 33.96,23.3 C47.1 ; v1(23.59,14.78) 23.6,14.79 24.41,14.79 C53.1
  vias: v1(1.34,1.37) v1(1.6,58.78) v1(1.6,51.16) v1(1.6,46.58) v1(1.6,42.01) v1(1.6,37.44) v1(1.6,32.87) v1(2.61,19.66) v1(3.38,11.02) v1(3.63,5.44) v1(6.42,36.42) v1(6.42,26.01) v1(9.22,18.64) v1(10.27,14.03) v1(12.77,3.66) v1(14.04,9.5) v1(14.3,0.61) v1(14.81,31.34) v1(15.82,41.63) v1(16.2,4.93) v1(17.22,5.56) v1(18.74,46.33) v1(19.25,36.55) v1(19.63,19.41) v1(20.14,29.06) v1(20.14,12.55) v1(24.6,10.41) v1(24.97,2.13) v1(26.08,10.4) v1(27.63,41.63) v1(28.14,29.19) v1(28.7,17.52) v1(28.81,6.49) v1(29.47,18.29) v1(29.47,16.76) v1(30.01,7.72) v1(30.23,19.05) v1(30.23,17.52) v1(30.23,16) v1(30.3,46.33) v1(30.68,36.68) v1(30.99,19.81) v1(30.99,18.29) v1(30.99,16.76) v1(30.99,15.24) v1(31.11,9.47) v1(31.75,19.05) v1(31.75,17.52) v1(31.75,16) v1(32.36,10.73) v1(32.51,18.29) v1(32.51,16.76) v1(33.28,17.52) v1(34.41,11.2) v1(35.67,12.51) v1(36.14,0.61) v1(38.55,36.17) v1(39.32,41.76) v1(39.85,14.54) v1(39.9,12.89) v1(41.73,46.33) v1(43.51,3.15) v1(43.96,22) v1(44.1,19.91) v1(46.05,33.12) v1(46.59,22.42) v1(47.98,23.67) v1(48.07,10.61) v1(49.33,23.73) v1(50.17,10.68) v1(50.33,15.16) v1(50.37,12.98) v1(50.78,25.35) v1(51.11,20.42) v1(51.91,25.23) v1(52.65,18.88) v1(53.16,46.33) v1(53.38,26.81) v1(53.38,10.17) v1(54.2,26.25) v1(54.36,20.27) v1(54.85,8.71) v1(55.7,27.82) v1(56.51,59.08) v1(56.51,51.92) v1(56.53,20.3) v1(57.04,27.84) v1(57.04,14.35) v1(57.99,3.91) v1(58.52,29.42) v1(59.04,15.93) v1(59.21,14.38) v1(59.29,19.5) v1(60.42,17.55) v1(60.78,21.08) v1(61,17.16) v1(62.3,54.71) v1(62.56,18.61) v1(63.57,59.08) v1(63.62,51.97) v1(64.59,8.99) v1(65.86,49.89) v1(65.86,3.15) v1(67.13,58.78) v1(69.21,41) v1(69.21,39.37) v1(69.21,12.65) v1(69.21,10.92) v1(71.24,39.37) v1(71.24,12.65) v1(71.24,10.92) v1(71.3,41.05) v1(71.45,33.63) v1(71.45,27.28) v1(71.45,20.93) v1(71.45,14.58) v1(71.7,9.25) v1(72.72,55.73) v1(72.72,50.65) v1(73.48,58.78)
